# Altium PCB MC3.PcbDoc (part 4 of 4)
Units mil, origin at the board's own origin, x right, y up, seen from the top; angles counter-clockwise.
Board outline 10260 x 7630 mil, 2 copper layers (Top Layer, Bottom Layer), stack 61.756 mil thick; 351 components, 225 nets, 961 pads, 410 vias.
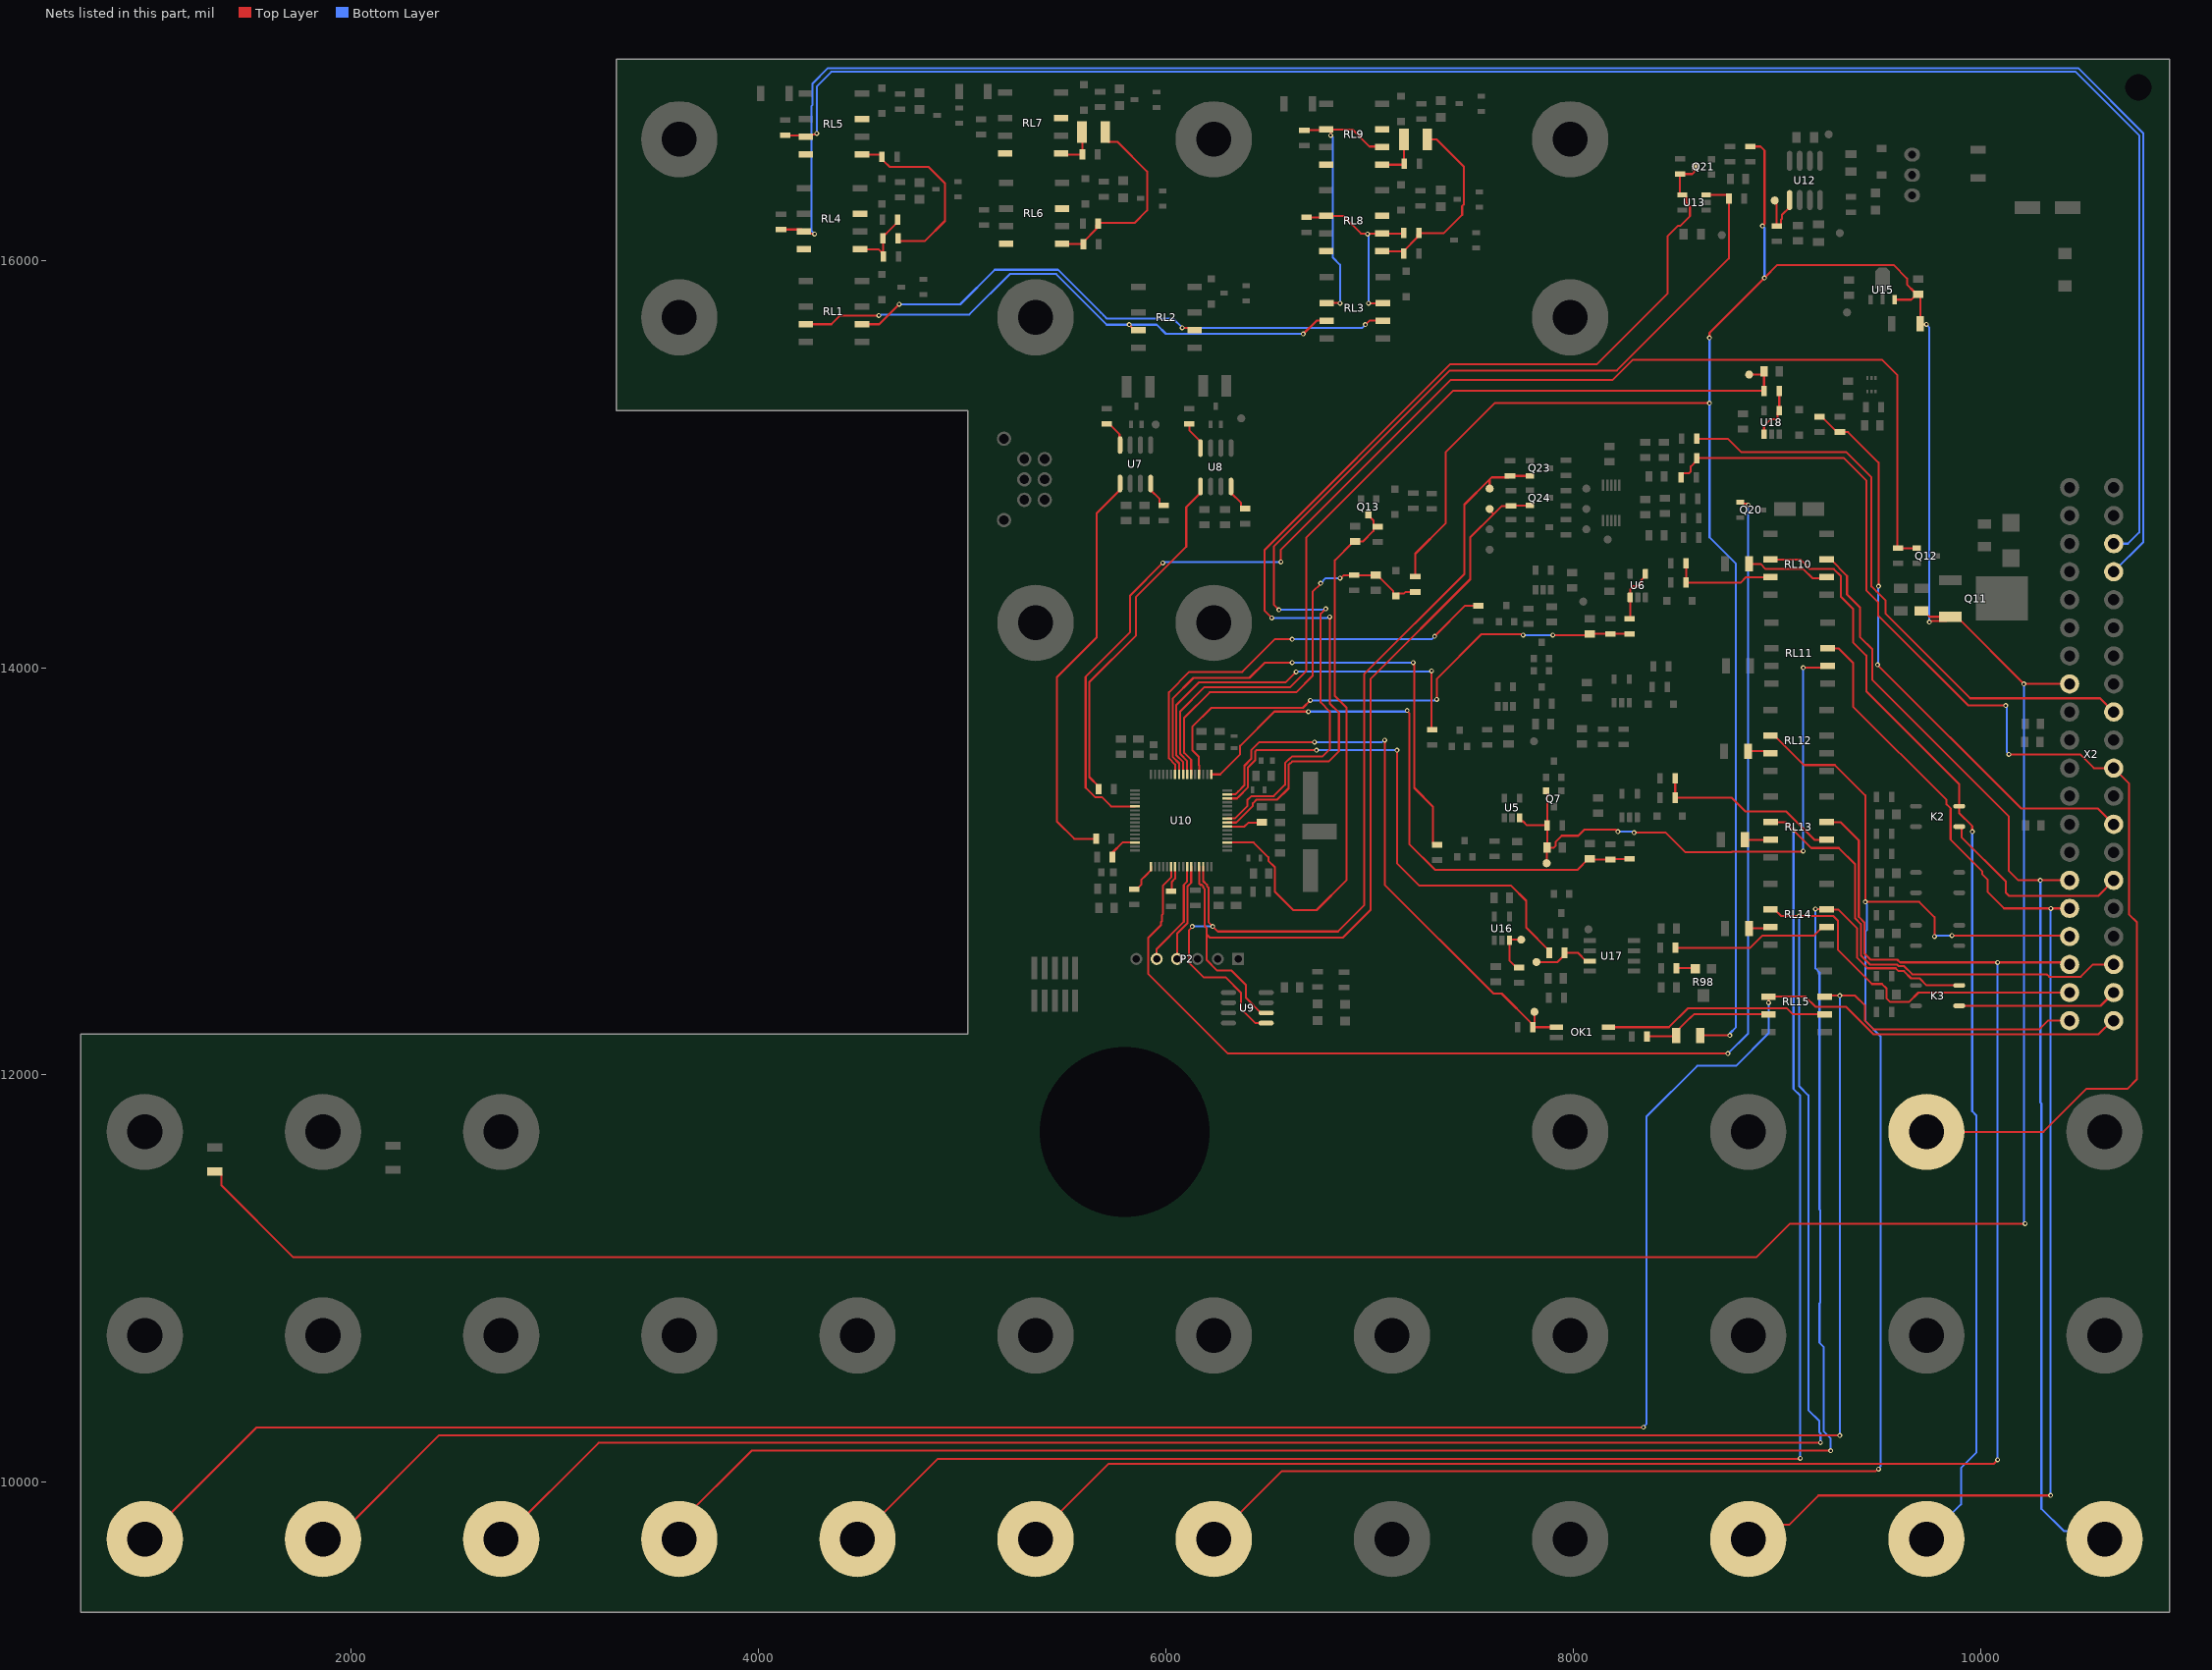
[diagram p4: the nets of this part, all layers, seen from the top]

## Via types
v1: diameter 24, hole 12, Top Layer to Bottom Layer, tented both sides, 410 vias

## Nets (pads, with @x,y where several pads share a name; then routed paths per layer and width w, separated by ;. In a path a pad name is that pad's centre, name@x,y a point inside that pad or via, vN(x,y) a via of type N, cw(c..) or ccw(c..) an arc to the next point about the centre after c; other vN are vias at no path point) (continued)
NetR20_1: R20.1 U6.1 U6.4 | length 267.1
  Top Layer w10: R20.1@8277.6,14241.31 8280.2,14243.91 U6.1@8280.2,14345.84 8280.2,14384.8 8295.39,14400 8320,14400 8333.06,14413.06 8333.06,14429.21 8355,14451.15 U6.4@8355,14461.98
NetR29_2: R29.2 U7.1 | length 2000.5
  Top Layer w10: R29.2@5657.6,13160 5550,13160 5465,13245 5465,13954.54 5660,14149.54 5660,14758.58 5775,14873.58 U7.1@5775,14889.33
NetR30_2: R30.2 U7.8 | length 137.4
  Top Layer w10: R30.2@5710,15197.6 5721.81,15197.6 5772.39,15147.02 5772.39,15096.66 U7.8@5775,15094.06
NetR32_2: R32.2 U7.4 | length 141.5
  Top Layer w10: U7.4@5925,14905.08 5925,14873.58 5969.41,14829.17 5969.41,14806.18 5978.19,14797.4 R32.2@5990,14797.4
NetR33_2: R33.2 U8.1 | length 1730.8
  Top Layer w10: R33.2@5670.2,13405 5670.2,13416.81 5624,13463.01 5624,13929 5854,14159 5854,14348.64 6100,14594.64 6100,14789.02 6170,14859.02 U8.1@6170,14890.51
NetR34_2: R34.2 U8.8 | length 140.9
  Top Layer w10: R34.2@6115,15197.6 6115,15165.98 6170,15110.98 U8.8@6170,15079.49
NetR36_2: R36.2 U8.4 | length 144
  Top Layer w10: U8.4@6320,14890.51 6320,14859.02 6369.41,14809.61 6369.41,14791.18 6378.19,14782.4 R36.2@6390,14782.4
NetR38_2: R38.2 R39.2 RL5.5 | length 942
  Top Layer w10: RL5.5@4507.8,16520.79 4596.22,16520.79 4605,16512.01 R38.2@4605,16510 4605,16495 4610,16490 4613.19,16490 4643.19,16460 4835,16460 4915,16380 4915,16195 4815,16095 4693.58,16095 4684.8,16103.78 R39.2@4684.8,16110
NetR39_1: R39.1 R41.2 R42.2 RL4.5 | length 337.5
  Top Layer w10: RL4.5@4497.8,16055.79 4588.62,16055.79 R42.2@4611.3,16033.11 ; R42.2@4612.6,16020 4612.6,16031.81 R42.2@4611.3,16033.11 ; R41.2@4682.4,16200 4682.4,16188.19 4624.8,16130.59 4618.78,16130.59 4610,16121.81 R39.1@4610,16110 4611.3,16108.7 R42.2@4611.3,16033.11
NetR44_2: R44.2 R45.2 RL7.5 | length 218.3
  Top Layer w10: RL7.5@5485.59,16526.77 5491.38,16520.98 R44.2@5590.39,16520.98 5590.39,16628.39 R45.2@5587.8,16630.98
NetR45_1: R45.1 R47.2 R48.2 RL6.5 | length 996.5
  Top Layer w10: RL6.5@5490.59,16081.77 5594.61,16081.77 R48.2@5595.39,16080.98 5595.39,16092.8 5658.82,16156.22 5658.82,16172.2 R47.2@5667.6,16180.98 5671.61,16185 5846.62,16185 5907.57,16245.94 5907.57,16437.43 5762.17,16582.83 5720.59,16582.83 5701.97,16601.46 R45.1@5701.97,16630.98
NetR49_2: R49.2 RL3.2 RL9.2 RL9.6 | length 1363.1
  Top Layer w10: R49.2@6680,16640 6783.19,16640 RL9.2@6787.2,16644.02 RL9.2@6799.25,16644.02 ; RL3.2@6790,15791.61 6853.39,15791.61 v1(6855,15790) ; v1(6810,16615) 6810,16633.27 RL9.2@6799.25,16644.02 ; RL9.6@7062.8,16557.4 7060.2,16560 7000,16560 6915.98,16644.02 RL9.2@6799.25,16644.02
  Bottom Layer w10: v1(6810,16615) 6820,16605 6820,16014.39 6855,15979.39 v1(6855,15790)
NetR50_2: R50.2 R51.2 RL9.5 | length 228.9
  Top Layer w10: RL9.5@7062.8,16470.79 7165.79,16470.79 R50.2@7170,16475 R51.2@7170,16595
NetR51_1: R51.1 R53.2 R54.2 RL8.5 | length 963.2
  Top Layer w10: RL8.5@7062.8,16045.79 7158.82,16045.79 R54.2@7167.6,16037.01 ; R54.2@7167.6,16035 R54.2@7167.6,16037.01 ; R51.1@7284.17,16595 7330,16595 7462.57,16462.43 7462.57,16274.88 7455,16267.31 7455,16225 7365,16135 R53.2@7242.4,16135 7233.62,16126.22 7233.62,16112.83 7167.6,16046.81 R54.2@7167.6,16037.01
NetR52_2: R52.2 R53.1 RL3.7 RL8.2 RL8.6 | length 930.6
  Top Layer w10: R52.2@6690,16212.4 6780.59,16212.4 RL8.2@6787.2,16219.02 6870.98,16219.02 6957.6,16132.4 RL8.6@7062.8,16132.4 7165,16132.4 R53.1@7167.6,16135 ; v1(6995,15790) 7063.98,15790 RL3.7@7065.59,15791.61
  Bottom Layer w10: v1(6990,16130) 6995,16125 v1(6995,15790)
NetR85_1: R85.1 TP4.1 U12.5 | length 289.1
  Top Layer w10: TP4.1@8990,16295 8990,16287.05 9000,16277.05 R85.1@9000,16170 9011.81,16170 9020.59,16178.78 9020.59,16200.59 9025,16205 9025,16223.86 9062.76,16261.61 U12.5@9062.76,16297.05
NetR92_1: R92.1 TP7.1 U16.3 | length 220
  Top Layer w10: R92.1@7735,12527.4 7723.19,12527.4 7687.4,12563.19 U16.3@7687.4,12661.93 7690.47,12665 TP7.1@7745,12665
NetR95_1: R95.1 TP8.1 U17.7 | length 303.5
  Top Layer w10: TP8.1@7820,12555 7924.21,12555 7957.4,12588.19 R95.1@7957.4,12600 8023.23,12600 8063.23,12560 U17.7@8081.34,12560
NetR97_1: R97.1 R98.3 | length 94.5
  Top Layer w10: R97.1@8507.4,12525 8597.48,12525 R98.3@8600.63,12521.85
NetR102_1: R102.1 U18.1 U18.4 | length 258.7
  Top Layer w10: U18.1@8937.6,15146.93 8937.6,15187.6 8970,15220 8995,15220 9004.61,15229.61 9004.61,15255.28 U18.4@9012.4,15263.07 R102.1@9012.4,15360
NetRL1_3: RL1.3 RL2.3 RL3.3 | length 2864.9
  Top Layer w10: RL1.3@4232.2,15687.4 4357.4,15687.4 4400,15730 v1(4590,15730) ; v1(5820,15685) 5820,15683.7 5845.31,15658.39 RL2.3@5865,15658.39 ; v1(6675,15640) 6740,15705 RL3.3@6790,15705
  Bottom Layer w10: v1(4590,15730) 4592.68,15732.68 4600.54,15732.68 4602.86,15735 5035,15735 5233.35,15933.35 5461.19,15933.35 5709.54,15685 v1(5820,15685) 5955,15685 6000,15640 v1(6675,15640)
NetRL1_6: RL1.6 RL2.6 RL3.6 | length 2866.8
  Top Layer w10: RL1.6@4507.8,15687.4 4592.4,15687.4 v1(4690,15785) ; v1(6080,15670) 6080.87,15669.13 6129.84,15669.13 RL2.6@6140.59,15658.39 ; v1(6980,15685) 7000,15705 RL3.6@7065.59,15705
  Bottom Layer w10: v1(4690,15785) 4990,15785 5160,15955 5470,15955 5680,15745 5680,15744.64 5694.64,15730 5695,15730 5710,15715 6035,15715 v1(6080,15670) 6965,15670 v1(6980,15685)
NetRL4_4: RL4.4
NetRL4_7: RL4.7
NetRL5_4: RL5.4
NetRL5_7: RL5.7
NetRL6_4: RL6.4
NetRL6_7: RL6.7
NetRL7_4: RL7.4
NetRL7_7: RL7.7
NetRL8_4: RL8.4
NetRL8_7: RL8.7
NetRL9_4: RL9.4
NetRL9_7: RL9.7
nFault5VSW_2: R87.1 U10.9 U13.3 | length 5236.2
  Top Layer w10: U10.9@6301.38,13259.84 6339.39,13259.84 6400,13320.46 6400,13350 6420.07,13370.07 6530.07,13370.07 6585,13425 6585,13531.6 6601.4,13548 6603,13548 6620,13565 6770,13565 6805,13600 6805,13785 6760,13830 6760,14265 v1(6785,14290) ; v1(6555,14285) 6530,14310 6530,14595.36 7394.64,15460 8215,15460 8765,16010 R87.1@8765,16305 8765,16313.62 8756.22,16322.4 U13.3@8653.07,16322.4
  Bottom Layer w10: v1(6555,14285) 6780,14285 v1(6785,14290)
nIGNITION: C32.1 Q13.3 R60.1 U10.3 | length 2814.2
  Top Layer w10: U10.3@6301.38,13141.73 6431.1,13141.73 6503.41,13069.42 6503.41,13052.89 6535.52,13020.78 6535.52,12899.48 6625,12810 6740,12810 6888,12958 6888,13803.27 6830,13861.27 6830,14528.07 6915,14613.07 C32.1@6930,14613.07 ; C32.1@6930,14620.2 6967.8,14620.2 7019.41,14671.81 7019.41,14683.62 R60.1@7028.19,14692.4 ; Q13.3@6995,14750.63 6995,14748.66 7019.41,14724.25 7019.41,14701.18 R60.1@7028.19,14692.4 ; R60.1@7040,14692.4 R60.1@7028.19,14692.4
nMC3Power_2: Q21.3 R89.1 U10.8 U13.4 | length 5352.5
  Top Layer w10: U10.8@6301.38,13240.16 6345.16,13240.16 6427.33,13322.33 6427.33,13334.96 6444.43,13352.07 6547.07,13352.07 6603,13408 6603,13524.14 6608.86,13530 6610.46,13530 6620.46,13540 6800,13540 6835,13575 6850,13590 6850,13780 6805,13825 v1(6805,14250) ; v1(6520,14245) 6485,14280 6485,14579.54 7395.46,15490 8115,15490 8464.53,15839.53 8464.53,16120.47 8514.22,16170.17 8525.17,16170.17 8573.55,16218.55 8573.55,16265.78 8555.55,16283.78 8555.55,16314.61 8547.76,16322.4 U13.4@8536.93,16322.4 8532.8,16322.4 8525,16330.2 R89.1@8525,16425 8585,16425 8595,16435 8595,16454.37 Q21.3@8600.63,16460
  Bottom Layer w10: v1(6520,14245) 6792.14,14245 6794.46,14247.32 6802.32,14247.32 v1(6805,14250)
OIL_PRESS_IN_1: BH29.1 RL13.7 X2.36 | length 9127.9
  Top Layer w10: BH29.1@5360.25,9720.85 5360.25,9732.98 5717.27,10090 10065,10090 v1(10085,10110) ; RL13.7@9245.59,13241.61 9313.39,13241.61 9403,13152 9403,12776.64 9431,12748.64 9431,12595.77 9460.36,12566.41 9592.49,12566.41 9605.89,12553 v1(10085,12553) 10428.1,12553 X2.36@10438.46,12542.64
  Bottom Layer w10: v1(10085,10110) v1(10085,12553)
OIL_PRESS_IN_5: R7.1 R8.1 RL13.6 | length 924.9
  Top Layer w10: R7.1@8501.46,13457.06 R8.1@8501.46,13362.06 8777.94,13362.06 8845,13295 9045,13295 9185,13155 RL13.6@9245.59,13155
OIL_RET_1: BH27.1 RL12.2 X2.34 | length 8478.8
  Top Layer w10: BH27.1@6235.25,9720.85 6569.4,10055 9487.14,10055 9497.14,10065 v1(9500,10065) ; RL12.2@8969.41,13666.61 8989.09,13666.61 9133.57,13522.13 9285.82,13522.13 9435,13372.95 v1(9435,12850) 9700,12850 9775,12775 v1(9775,12680) ; v1(9860,12685) 10433.03,12685 10438.03,12680 X2.34@10438.46,12680.43
  Bottom Layer w10: v1(9435,12850) 9435,12846.21 9443.75,12837.46 9443.75,12712.82 9435,12704.08 9435,12265.46 9510,12190.46 9510,10077.86 9500,10067.86 v1(9500,10065) ; v1(9775,12680) 9780,12685 v1(9860,12685)
OIL_RET_5: F4.1 RL12.3 | length 114.5
  Top Layer w10: F4.1@8859.06,13590 8959.41,13590 RL12.3@8969.41,13580
OILPRESSAD: C6.1 R9.2 R11.2 U10.17 | length 2936.2
  Top Layer w10: U10.17@6222.64,13476.38 6266.73,13476.38 6320.36,13530 6365,13574.64 6365,13616.97 6533.03,13785 v1(6700,13785) ; v1(7185,13790) 7185,13787.14 7195,13777.14 7195,13134.99 7322.68,13007.31 8020.85,13007.31 8074.72,13061.19 C6.1@8082.6,13061.19 8085.2,13058.59 R11.2@8182.6,13058.59 8183.9,13059.89 8276.3,13059.89 R9.2@8277.6,13061.19
  Bottom Layer w10: v1(6700,13785) 7180,13785 v1(7185,13790)
Open_Connector: Q20.1 U10.54 | length 6363.8
  Top Layer w10: U10.54@6025.79,13023.62 6025.79,12970.79 5985,12930 5985,12790 5980,12785 5980,12755.36 5975,12750.36 5975,12735 5912.47,12672.47 5912.47,12497.53 6305,12105 v1(8760,12105) ; Q20.1@8820.87,14812.4 8827.68,14805.59 8854.41,14805.59 v1(8860,14800)
  Bottom Layer w10: v1(8760,12105) 8860,12205 v1(8860,14800)
PWM_MOTOR: Q12.1 R57.2 U10.37 | length 6573
  Top Layer w10: U10.37@5848.62,13318.9 5800,13318.9 5731.46,13318.9 5685.19,13365.17 5652.27,13365.17 5606,13411.44 5606,13956 5825,14175 5825,14355 v1(5985,14515) ; v1(6565,14520) 6565,14580.46 7397.54,15413 8193.46,15413 8293.46,15513 9517,15513 9593,15437 9593,14589.4 R57.2@9595,14587.4 Q12.1@9687.76,14587.4
  Bottom Layer w10: v1(5985,14515) 5990,14520 v1(6565,14520)
RESET_17: C69.1 U10.7 | length 178.1
  Top Layer w10: U10.7@6301.38,13220.47 6385.93,13220.47 6405.46,13240 6460.98,13240 6462.76,13241.77 C69.1@6470.63,13241.77
SCL_17: Q24.2 R105.1 TP12.1 U9.6 U10.61 | length 4206.4
  Top Layer w10: U10.61@6163.58,13023.62 6163.58,12940.04 6169.44,12934.18 6175.98,12934.18 6183.63,12926.52 6183.63,12920.74 6191.4,12912.97 6191.4,12731.13 6200,12722.53 6200,12690 ; U9.6@6492.52,12305 6466.93,12305 6392.81,12379.12 6392.81,12442.65 6323.13,12512.32 6252.53,12512.32 6200,12564.86 6200,12690 ; TP12.1@7590,14780 7590,14775 7610,14755 ; Q24.2@7787.76,14797.4 7786.56,14796.2 7696.2,14796.2 R105.1@7695,14795 7650,14795 7610,14755 ; 6200,12690 6215,12675 6870,12675 7005,12810 7005,13945 7495,14435 7495,14640 7610,14755
SDA_17: Q23.2 R82.1 TP5.1 U9.5 U10.62 | length 4550.7
  Top Layer w10: v1(6130,12730) 6130,12726.87 6112.47,12709.34 6112.47,12552.38 6186.21,12478.65 6294.51,12478.65 6368.25,12404.91 6368.25,12326.87 6440.12,12255 U9.5@6492.52,12255 ; U10.62@6183.27,13023.62 6183.27,12952.34 6201.63,12933.98 6201.63,12928.2 6209.4,12920.43 6209.4,12750.6 v1(6230,12730) 6255,12705 6845,12705 6975,12835 6975,13970 7466,14461 7466,14801 7590,14925 ; TP5.1@7590,14880 7590,14925 ; Q23.2@7787.76,14942.4 R82.1@7690,14942.4 7682.6,14935 7600,14935 7590,14925
  Bottom Layer w10: v1(6130,12730) v1(6230,12730)
SHDN_COOL: R5.1 U10.26 | length 2112.3
  Top Layer w10: U10.26@6045.47,13476.38 6045.47,13524.98 6015,13555.46 6015,13880 6115,13980 6375,13980 6535,14140 v1(6620,14140) ; v1(7320,14155) 7469.96,14304.96 R5.1@7535,14304.96
  Bottom Layer w10: v1(6620,14140) 7305,14140 v1(7320,14155)
SHDN_OIL: R12.1 U10.24 | length 1968
  Top Layer w10: U10.24@6084.84,13476.38 6084.84,13536.52 6051,13570.37 6051,13816 6164,13929 6589,13929 v1(6640,13980) ; v1(7305,13985) 7305,13699.42 R12.1@7308.35,13696.07
  Bottom Layer w10: v1(6640,13980) 6642.5,13982.5 7302.5,13982.5 v1(7305,13985)
SHDN_TPS: R17.1 U10.25 | length 2590.5
  Top Layer w10: U10.25@6065.16,13476.38 6065.16,13530.75 6033,13562.91 6033,13848 6135,13950 6410,13950 6485,14025 v1(6620,14025) ; v1(7215,14025) 7217.68,14022.32 7217.68,14014.46 7220,14012.14 7220,13410 7311.73,13318.27 7311.73,13139.01 7320.51,13130.23 R17.1@7332.32,13130.23
  Bottom Layer w10: v1(6620,14025) v1(7215,14025)
SPEED1_IN_1: K3.3 X2.37 | length 785.6
  Top Layer w10: K3.3@9896.3,12340 10590.16,12340 X2.37@10655,12404.84
SPEED1_IN_5: R94.1 RL14.6 | length 784.7
  Top Layer w10: R94.1@8502.4,12625 8870,12625 8930,12685 9183.64,12685 9225.32,12726.68 RL14.6@9245,12726.68
SPEED1_INa_2: BH33.1 K3.4 RL14.7 | length 9521.5
  Top Layer w10: BH33.1@3610.25,9720.85 3610.25,9800.25 3965.77,10155.77 v1@9265,10155.77 ; v1(9190,12815) 9243.29,12815 RL14.7@9245,12813.29 9301.71,12813.29 9395,12720 9395,12575 9445.8,12524.2 9583.78,12524.2 9597.98,12510 9625,12510 9660,12475 9701.51,12475 9736.51,12440 K3.4@9896.3,12440
  Bottom Layer w10: v1(9190,12815) 9190,12523.29 9210,12503.29 9210,11340.46 9213,11337.46 9213,10882.54 9210,10879.54 9210,10685 9230,10665 9230,10250 9265,10215 v1(9265,10155)
SPEED1_RET_1: BH31.1 RL13.2 X2.35 | length 10161.9
  Top Layer w10: BH31.1@4485.25,9720.85 4879.4,10115 9102.14,10115 9102.54,10115.4 9112.32,10115.4 v1(9115,10118.08) ; RL13.2@8970,13241.61 9043.39,13241.61 v1(9082.5,13202.5) 9170,13115 9305,13115 9385,13035 9385,12769.19 9413,12741.19 9413,12588.31 9459.11,12542.2 9591.24,12542.2 9598.44,12535 9625.46,12535 9665.46,12495 10325,12495 10337.61,12482.39 10492.7,12482.39 10552.95,12542.64 X2.35@10655,12542.64
  Bottom Layer w10: v1(9082.5,13202.5) 9082.5,11931.59 9115,11899.09 v1(9115,10118.08)
SPEED1_RET_5: F5.1 RL13.3 | length 125.9
  Top Layer w10: F5.1@8844.06,13155 RL13.3@8970,13155
SPEED2_IN_1: BH37.1 RL15.7 X2.40 | length 11156
  Top Layer w10: BH37.1@1860.25,9720.85 1920.85,9720.85 2431.15,10231.15 9308.85,10231.15 v1(9310,10230) ; RL15.7@9235.59,12385 9240.59,12390 v1(9310,12390) 9385,12390 9432.5,12342.5 9432.5,12267.96 9475.46,12225 10290,12225 10332.05,12267.05 X2.40@10438.46,12267.05
  Bottom Layer w10: v1(9310,10230) v1(9310,12390)
SPEED2_IN_5: OK1.2 RL15.6 | length 1112.7
  Top Layer w10: OK1.2@8172.95,12235 8470.47,12235 8562.61,12327.13 9050.7,12327.13 9079.45,12298.39 RL15.6@9235.59,12298.39
SPEED2_RET_1: BH35.1 RL14.2 X2.38 | length 11095.2
  Top Layer w10: BH35.1@2735.25,9720.85 2740.85,9720.85 3213.46,10193.46 9213.46,10193.46 v1(9215,10195) ; RL14.2@8969.41,12813.29 8989.09,12813.29 9021.54,12780.84 v1(9110,12780.84) 9278.3,12780.84 9300,12759.14 9300,12615 9467.98,12447.02 9516.64,12447.02 9539.65,12424.01 9539.65,12375.35 9556.62,12358.38 9649.27,12358.38 9695.74,12404.84 X2.38@10438.46,12404.84
  Bottom Layer w10: v1(9110,12780.84) 9110,11945 9155,11900 9155,10354.64 9209,10300.64 9209,10245.54 9215,10239.54 v1(9215,10195)
SPEED2_RET_5: F6.1 RL14.3 | length 108.1
  Top Layer w10: F6.1@8864.06,12720 8962.73,12720 RL14.3@8969.41,12726.68
SPEED2_VBAT_1: BH39.1 RL15.2 X2.39 | length 11867.2
  Top Layer w10: BH39.1@985.25,9720.85 1533.25,10268.85 v1@8345,10268.85 ; v1(8960,12355) RL15.2@8960,12385 9140.22,12385 9190.22,12335 9340,12335 9475,12200 10580,12200 10647.05,12267.05 X2.39@10655,12267.05
  Bottom Layer w10: v1(8345,10270) 8360,10285 8360,11795 8610,12045 8800,12045 8960,12205 v1(8960,12355)
SPEED2_VBAT_5: F1.2 R99.2 RL15.3 | length 652.9
  Top Layer w10: R99.2@8362.4,12190 8500.94,12190 F1.2@8505.94,12195 8505.94,12212.72 8573.23,12280 8575,12280 8593.39,12298.39 RL15.3@8960,12298.39
SPEED_HALL: OK1.3 R100.2 TP10.1 U10.15 | length 2889.4
  Top Layer w10: U10.15@6301.38,13377.95 6340,13377.95 6355,13392.95 6385.61,13423.57 6385.61,13518.89 6419,13552.28 6419,13594.6 6459.4,13635 v1(6730,13635) ; v1(7075,13645) 7075,12934.64 7609.64,12400 7649.21,12400 7799.8,12249.41 R100.2@7805,12249.41 ; R100.2@7802.4,12246.81 R100.2@7802.4,12235 R100.2@7810,12235 ; R100.2@7810,12249.41 R100.2@7810,12235 ; R100.2@7810,12250.51 TP10.1@7810,12310 ; OK1.3@7917.05,12235 R100.2@7810,12235
  Bottom Layer w10: v1(6730,13635) 7061.21,13635 7071.21,13645 v1(7075,13645)
SPEED_RLC: R95.2 U10.14 | length 2582.5
  Top Layer w10: U10.14@6301.38,13358.27 6348.72,13358.27 6355,13364.54 6403.61,13413.16 6403.61,13511.44 6439,13546.82 6439,13589.14 6444.86,13595 v1(6740,13595) ; v1(7135,13595) 7135,13040 7245,12930 7695.36,12930 7769.55,12855.8 7769.55,12724.86 7882.6,12611.81 R95.2@7882.6,12600
  Bottom Layer w10: v1(6740,13595) v1(7135,13595)
STARTER_AMP_1: BH15.1 R26.1 R27.2 X2.21 | length 6025.5
  Top Layer w10: R27.2@8530,14935 8530,14946.81 8538.78,14955.59 8569.14,14955.59 8578.02,14964.47 8578.02,14988.81 8607.4,15018.19 R26.1@8607.4,15030 9330,15030 9440,14920 9440,14380 9497.5,14322.5 9497.5,14257.5 9940,13815 v1(10125,13815) ; BH15.1@9735.25,11720.85 10309.73,11720.85 10522.23,11933.35 10723.35,11933.35 10769,11979 10769,12750 10731.1,12787.9 10731.1,13431.1 X2.21@10655,13507.2 10557.8,13507.2 10490,13575 v1(10140,13575)
  Bottom Layer w10: v1(10125,13815) 10125,13811.21 10130,13806.21 10130,13587.86 10140,13577.86 v1(10140,13575)
STARTER_VREF_1: R28.1 X2.17 | length 2954.8
  Top Layer w10: R28.1@8607.4,15125 8760,15125 8825,15060 9340,15060 9465,14935 9465,14399.64 9489.64,14375 9535.23,14329.42 9535.23,14265.23 9950.46,13850 10587.8,13850 X2.17@10655,13782.8
SWDCLK_17: R80.2 U10.49 | length 152.3
  Top Layer w10: R80.2@5845,12912.4 5856.81,12912.4 5879,12934.59 5879,12957.54 5901.46,12980 5927.36,13005.91 U10.49@5927.36,13023.62
SWDIO_17: R79.2 U10.46 | length 153.7
  Top Layer w10: R79.2@5737.4,13070 5737.4,13080 5737.4,13091.81 5787.32,13141.73 5800,13141.73 U10.46@5848.62,13141.73
SWO_17: R83.2 U10.55 | length 129.7
  Top Layer w10: R83.2@6025,12902.4 6030,12907.4 6030,12949.54 6045.47,12965.02 U10.55@6045.47,13023.62
TESTCONNECTOR_CANH_1: R37.1 RL5.3 X2.5 | length 9147.5
  Top Layer w10: R37.1@4130,16615.2 4224.41,16615.2 RL5.3@4232.2,16607.4 4242.95,16618.15 4278.15,16618.15 v1(4285,16625)
  Bottom Layer w10: v1(4285,16625) 4285,16855 4357,16927 10468,16927 10780,16615 10780,14665 10724.57,14609.57 X2.5@10655,14609.57
TESTCONNECTOR_CANL_1: R40.1 RL4.3 X2.7 | length 9834.5
  Top Layer w10: R40.1@4110,16152.6 4212.01,16152.6 RL4.3@4222.2,16142.4 4232.95,16131.65 4273.35,16131.65 v1(4275,16130)
  Bottom Layer w10: v1(4275,16130) 4260,16145 4260,16759.82 4265,16764.82 4265,16870 4340,16945 10480,16945 10800,16625 10800,14616.77 X2.7@10655,14471.77
TPS_5VREF_1: BH21.1 RL11.7 X2.32 | length 6446.8
  Top Layer w10: BH21.1@8860.25,9720.85 8930.09,9790.69 9060.69,9790.69 9205,9935 v1(10345,9935) ; RL11.7@9250,14095 9305,14095 9375,14025 9375,13810 9834.15,13350.85 9834.15,13329.34 9853.77,13309.72 9853.77,13254.58 9853.77,13156.23 10010,13000 10010,12985 10035,12960 10035,12900 10116.77,12818.23 v1(10345.94,12818.23) X2.32@10438.46,12818.23
  Bottom Layer w10: v1(10345,9935) 10345,12817.28 v1(10345.94,12818.23)
TPS_5VREF_5: C12.1 Q7.2 R18.1 RL11.6 TP3.1 U5.3 | length 2891.3
  Top Layer w10: U5.3@7737.4,13263.27 7737.4,13254.41 7746.18,13245.63 7755.04,13245.63 7774.17,13226.5 R18.1@7872.6,13226.5 ; Q7.2@7867.6,13395.87 7872.6,13390.87 R18.1@7872.6,13226.5 ; TP3.1@7870,13040 7870,13113.9 C12.1@7872.6,13116.5 ; v1(8220,13195) 8210,13205 8055,13205 8025.3,13175.3 7944.51,13175.3 7914.81,13145.59 7914.81,13125.99 7905.32,13116.5 C12.1@7872.6,13116.5 ; v1(8300,13190) 8455,13190 8550,13095 8779.34,13095 8781.48,13097.13 9127.13,13097.13 v1(9130,13100) ; v1(9130,14000) 9241.61,14000 RL11.6@9250,14008.39 ; C12.1@7872.6,13116.5 R18.1@7872.6,13226.5
  Bottom Layer w10: v1(8220,13195) 8291.21,13195 8296.21,13190 v1(8300,13190) ; v1(9130,13100) v1(9130,14000)
TPS_RET_1: BH17.1 RL10.7 X2.30 | length 5689.6
  Top Layer w10: RL10.7@9245,14531.61 9264.68,14531.61 9345,14451.3 9345,14360 9410,14295 9410,14150 9470,14090 9470,13940 10140,13270 10140,13001.75 10185.73,12956.02 v1(10295,12956.02) X2.30@10438.46,12956.02
  Bottom Layer w10: v1(10295,12956.02) 10295,11865 10300,11860 10300,9870 10410,9760 10571.1,9760 BH17.1@10610.25,9720.85
TPS_RET_5: F2.1 RL10.6 | length 412
  Top Layer w10: F2.1@8864.06,14510 8920,14510 8945,14485 9130,14485 9175,14440 9240,14440 RL10.6@9245,14445
TPS_SEC_1: R101.1 R103.2 X2.25 | length 2862.6
  Top Layer w10: R101.1@9210,15232.4 9221.81,15232.4 9287.83,15166.38 9301.22,15166.38 R103.2@9310,15157.6 9350.59,15157.6 9500,15008.19 v1(9500,14400) ; v1(9495,14015) 10200.83,13309.17 10577.45,13309.17 X2.25@10655,13231.61
  Bottom Layer w10: v1(9495,14015) 9497.5,14017.5 9497.5,14397.5 v1(9500,14400)
TPS_SECAD: C68.1 R102.2 TP23.1 U10.23 | length 4399.7
  Top Layer w10: U10.23@6104.53,13476.38 6104.53,13542.3 6070,13576.82 6070,13785 6190,13905 6610.46,13905 6690,13984.54 6690,14640 7410,15360 R102.2@8937.6,15360 C68.1@8937.6,15452.72 ; TP23.1@8865,15440 8924.88,15440 C68.1@8937.6,15452.72 ; C68.1@8937.6,15455 C68.1@8937.6,15452.72
TPS_WIPER_1: K2.3 X2.29 | length 991.2
  Top Layer w10: K2.3@9896.3,13220 9902.72,13220 9909.02,13213.71 9909.02,13166.15 10125,12950.16 10125,12895 10140,12880 10578.98,12880 X2.29@10655,12956.02
TPS_WIPER_5: R19.1 R21.2 RL10.3 | length 519.9
  Top Layer w10: R21.2@8555,14513.59 R19.1@8555,14418.91 8823.91,14418.91 8850,14445 RL10.3@8969.41,14445
TPS_WIPERa_2: BH19.1 K2.4 RL10.2 | length 5485.4
  Top Layer w10: RL10.2@8969.41,14531.61 9116.61,14531.61 9163.23,14485 9280,14485 9315,14450 9315,14350 9375,14290 9375,14125 9440,14060 9440,13885 9896.3,13428.7 K2.4@9896.3,13320 9896.3,13286.2 9960,13222.5 v1(9960,13195)
  Bottom Layer w10: BH19.1@9735.25,9720.85 9905,9890.6 9905,10070 9980,10145 9980,11802.08 9960,11822.08 v1(9960,13195)
TPSAD: C13.1 R20.2 R22.2 U10.20 | length 2647.2
  Top Layer w10: U10.20@6163.58,13476.38 6163.58,13520.63 6161.9,13522.31 6161.9,13530 6161.9,13564.01 6130,13595.91 6130,13710.36 6222.64,13803 6673,13803 v1(6710,13840) ; v1(7330,13845) 7330,13945 7550,14165 7750,14165 v1(7755,14160) ; v1(7900,14160) 8076.09,14160 C13.1@8082.6,14166.51 R22.2@8182.6,14166.51 R20.2@8277.6,14166.51
  Bottom Layer w10: v1(6710,13840) 7325,13840 v1(7330,13845) ; v1(7755,14160) v1(7900,14160)
UART_RX1: P2.4 U10.59 | length 482.3
  Top Layer w10: P2.4@6055,12570 6055,12694.19 6106,12745.19 6106,12926.16 6124.21,12944.37 6124.21,12980 U10.59@6124.21,13023.62
UART_TX1: P2.5 U10.58 | length 515.6
  Top Layer w10: P2.5@5955,12570 5955,12619.64 6088,12752.64 6088,12933.61 6104.53,12950.14 6104.53,12980 U10.58@6104.53,13023.62
VBATS_AD: C11.1 D3.1 R14.2 R15.2 U10.22 | length 2019.7
  Top Layer w10: U10.22@6124.21,13476.38 6124.21,13548.07 6090,13582.28 6090,13755 6215,13880 6640,13880 6720,13960 6720,14372.82 6760,14412.82 v1(6760,14415) ; v1(6855,14440) 6858.79,14440 6873.79,14455 R15.2@6925,14455 C11.1@7030,14455 7037.87,14455 7115.31,14377.56 7115.31,14365.32 7128.03,14352.6 D3.1@7130,14352.6 ; D3.1@7129.02,14352.6 7141.73,14365.32 7169.92,14365.32 7177.2,14372.6 R14.2@7225,14372.6
  Bottom Layer w10: v1(6760,14415) 6785,14440 v1(6855,14440)
VBATT__1: C59.2 C60.1 F1.1 F7.2 Q11.2 R14.1 R55.2 R90.1 U15.3 X2.16 | length 22258.2
  Top Layer w10: F7.2@1330,11525.94 1347.72,11525.94 1362.4,11511.26 1362.4,11457.6 1715,11105 8900,11105 9065,11270 v1(10220,11270) ; R14.1@7225,14447.4 7225,14560 7375,14710 7375,15060 7615,15300 v1(8670,15300) ; F1.1@8624.06,12195 v1(8770,12195) ; v1(8670,15620) 8670,15645 v1(8940,15915) 9003.24,15978.24 9573.97,15978.24 9639.84,15912.36 9639.84,15881.97 9674.41,15847.4 C60.1@9687.13,15834.68 ; R90.1@8870,16559.8 8920.2,16559.8 8940,16540 8940,16180 v1(8930,16170) ; U15.3@9579.06,15807.76 9660.2,15807.76 C60.1@9687.13,15834.68 ; R55.2@9710,14279.88 9720.83,14279.88 9750.47,14250.24 Q11.2@9853.03,14250.24 ; v1(9735,15686.25) 9708.63,15686.25 C59.2@9704.88,15690 9704.88,15824.8 C60.1@9695,15834.68 C60.1@9687.13,15834.68 ; v1(9750,14225) 9753.79,14225 9759.42,14230.63 9833.43,14230.63 Q11.2@9853.03,14250.24 ; X2.16@10438.46,13920.59 v1(10214.17,13920.59) 9884.53,14250.24 Q11.2@9853.03,14250.24
  Bottom Layer w10: v1(8670,15620) v1(8670,15300) 8670,14640 8800,14510 8800,12235 8770,12205 v1(8770,12195) ; v1(8930,16170) 8940,16160 v1(8940,15915) ; v1(9735,15686.25) 9750,15671.25 v1(9750,14225) ; v1(10214.17,13920.59) 10215,13919.76 10215,11275 v1(10220,11270)
pads on no net: J1.7 J1.8 J1.9 J1.10 P2.2 P2.3 P2.6 U7.5 U8.5 U10.16 U10.35 U10.36 U10.56 U17.3 U17.6 X1. Y1.

## Polygon pours and split planes (outlines as drawn)
+3V3 on Top Layer "+3V3_L01_P016" (solid, remove dead copper, pour order 16): 6135,13660 6295,13660 6352.68,13602.32 6365,13602.32 6365,13555 6350,13540 6175,13540 6135,13580
+3V3 on Top Layer "+3V3_L01_P014" (solid, remove dead copper, pour order 14): 8790,15335 8915,15335 8960,15290 8960,15225 8730,15225 8655,15150 7920,15150 7840,15070 7840,14995 7836.42,14995 7821.22,14979.8 7485,14980 7455,14950 7455,14470 6955,13970 6960,13965 6960,12840 6835,12715 6275,12715 6212.5,12777.5 6212.5,12957.5 6215,13060 5885,13060 5874.08,13045.92 5782.58,12928 5771.46,12790.39 5718.71,12790.39 5716.21,12946.21 5762.46,12965.24 5830,13050 5830,13110.32 5885,13110.32 5900,13145 6130,13145 6251.2,13144.4 6250.25,13054.75 6395,12925 6391.64,12790.39 6472.12,12790.39 6471.49,12935.64 6519.96,12934.96 6525,12780 6740,12780 6910,12950 6910,14105 7135,14330 7270,14330 7315,14375 7315,14600 7405,14690 7405,14970 7645,15210 8635,15210 8645,15220
+3V3 on Top Layer "+3V3_L01_P012" (solid, remove dead copper, pour order 12): 9145,16345 9145,16160 9207.17,16160 9245,16122.17 9245,16050 9225,16030 8880,16030 8765,15915 8765,15880 8885,15880 8990,15985 9340,15985 9410,16055 9410,16160 9940,16160 10150,15950 10665,15950 10835,15780 10835,14165 10785,14115 10785,13215 10745,13175 10745,13130 10815,13130 10825,13140 10825,14065 10885,14125 10885,15800 10695,15990 10160,15990 9940,16210 9255,16210 9240,16225 9240,16340 9230,16350 9155,16350
+V24V on Top Layer "+V24V_L01_P028" (solid, remove dead copper, pour order 28): 5050,16395 5155,16395 5155,16330 5115,16290 5075,16290 5067.8,16282.8 5067.8,16142.2 5135,16075 5135,15655 5352.5,15437.5 5352.5,15085 5300,15085 5285,15100 5285,15445 5020,15710 5020,16350
+5V_OILPRESS_11 on Top Layer "+5V_OILPRESS_11_L01_P046" (solid, remove dead copper, pour order 46): 7695,13840 7775,13840 7775,14005 7780,14010 7830,14010 7830,13865 7855,13840 7855,13695 7890,13660 7935,13660 7965,13675 8355,13675 8455,13575 8455,13430 8445,13420 8410,13420 8400,13430 8400,13550 8310,13640 8020,13640 7995,13615 7760,13615 7730,13645 7730,13760 7710,13760 7695,13775
+5V_COOLREF_11 on Top Layer "+5V_COOLREF_11_L01_P045" (solid, remove dead copper, pour order 45): 7885,14500 7890,14495 7890,14365 7970,14365 7985,14350 7985,14257.5 8052.5,14190 8300,14190 8375,14115 8375,13975 8425,13975 8425,14130 8335,14220 8065,14220 8055,14230 8055,14410 8035,14430 7955,14430 7955,14485 7940,14500
TPS_5VREF_1 on Top Layer "TPS_5VREF_1_L01_P044" (solid, remove dead copper, pour order 44): 9210,14070 9290,14070 9355,14005 9355,13795 9825,13325 9825,13130 10015,12940 10015,12880 10105,12790 10370,12790 10395,12765 10465,12765 10495,12795 10495,12850 10475,12870 10130,12870 10085,12915 10085,12950 9860,13175 9860,13360 9390,13830 9390,14035 9300,14125 9210,14125
TPS_5VREF_5 on Top Layer "TPS_5VREF_5_L01_P043" (solid, remove dead copper, pour order 43): 9110,14030 9110,13985 9285,13985 9285,14030
TPS_5VREF_5 on Top Layer "TPS_5VREF_5_L01_P040" (solid, remove dead copper, pour order 40): 8280,13205 8505,13205 8590,13120 9140,13120 9150,13110 9150,13080 9145,13075 8520,13075 8420,13175 8285,13175 8275,13185 8275,13200
TPS_5VREF_5 on Top Layer "TPS_5VREF_5_L01_P039" (solid, remove dead copper, pour order 39): 7725,13285 7815,13285 7815,13380 7850,13415 7885,13415 7885,13210 7895,13200 7910,13215 8235,13215 8235,13175 8210,13150 7940,13150 7925,13135 7925,13055 7920,13050 7835,13050 7835,13160 7800,13195 7750,13195 7725,13220
+5VSW on Top Layer "+5VSW_L01_P038" (solid, remove dead copper, pour order 38): 7970,14110 8040,14110 8095,14055 8095,13905 8080,13890 7970,13890 7965,13895 7965,14100
+V24V on Top Layer "+V24V_L01_P005" (solid, remove dead copper, pour order 5): 10360,16000 10540,16000 10610,16070 10610,16770 10405,16975 4120,16975 4120,16755 4130,16745 4380,16745 4380,16860 4388.64,16868.64 4804.39,16868.64 4805.74,16870 5103.53,16868.64 5103.53,16735 5285.94,16735 5285.94,16867.81 6004.08,16868.66 6002.24,16283.83 6055,16213.75 6055,16025.67 6097.86,16025.67 6097.86,16790 6620,16790 6610,15899.89 6716.2,15899.89 6830.46,15899.89 6829.14,15946.33 6716.2,15946.66 6722.17,16322.88 6830.46,16322.88 6830.46,16369.21 6722.93,16370.58 6730,16745 7782.71,16745 7958.63,16790 9360.61,16789.69 9585,16675 9585,16505 9630,16460 10250,16460 10320,16390 10320,16060
+8VREF on Top Layer "+8VREF_L01_P037" (solid, remove dead copper, pour order 37): 8685,14675 8700,14690 8720,14690 8740,14670 8625,14555 7930,14555 7875,14500 7875,14352.6 7905,14322.6 7905,14275 7865,14275 7840,14250 7840,14100 7725,14100 7685,14060 7685,13750 7715,13720 7715,13670 7670,13670 7595,13595 7570,13595 7570,13510 7655,13510 7840,13510 7890,13560 7920,13560 7930,13550 7930,13495 7915,13480 7755,13480 7720,13445 7725,13179.09 7725,13165 7750,13160.46 7750,13125 7655.21,13095.21 7650,13060.46 7590,13060 7590.43,13095.21 7675,13140 7674.55,13229.55 7680,13235 7680,13420 7595,13420 7537.68,13477.32 7537.68,13647.68 7560,13670 7615,13670 7650,13705 7650,14105 7685,14140 7800,14140 7800,14255 7790,14265 7756.89,14265 7750,14271.89 7750,14335 7765,14350 7825,14350 7835,14360 7835,14530 7905,14600 8625,14600 8680,14655 8680,14665
+8VREF on Top Layer "+8VREF_L01_P035" (solid, remove dead copper, pour order 35): 9320,15850 9385,15850 9385,15835 9395,15825 9470,15825 9470,15775 9415,15720 8875,15720 8770,15615 8735,15615 8735,15645 8845,15755 9300,15755 9310,15765 9310,15840
GND on Top Layer "GND_L01_P034" (solid, remove dead copper, pour order 34): 9435,15955 9435,15840 9440,15835 9475,15835 9475,15785 9506.31,15753.69 9548.69,15753.69 9570,15775 9570,15835 9587.5,15852.5 9595,15852.5 9595,15955
+5VSW on Top Layer "+5VSW_L01_P022" (solid, remove dead copper, pour order 22): 7429.54,15084.54 7460,15050 7475,15050 7645,15220 8535,15220 8540,15225 8540,15270 8530,15280 7620,15280 7433.37,15104.76
VBATT__1 on Top Layer "VBATT__1_L01_P032" (solid, remove dead copper, pour order 32): 9680,15660 9685,15655 9815,15655 9815,15795 9735,15875 9670,15875 9650,15895 9650,15940 9605,15985 9560.67,16023.18 9431.82,16023.18 9372.03,15985 8990,15985 8655,15650 8655,15605 8670,15590 8695,15590 8710,15605 8710,15645 9025,15960 9560.67,15960 9602.5,15918.17 9602.5,15852.5 9587.5,15852.5 9570,15835 9570,15775 9605,15740 9665,15740 9665,15732.5 9680,15717.5
GND on Top Layer "GND_L01_P027" (solid, remove dead copper, pour order 27): 6770,12855 6870,12955 6870,13520 6630,13520 6615,13505 6615,13385 6570,13340 6530,13340 6505,13315 6505,13220 6275,13220 6275,13170 6450,13170 6535,13085 6535,12920 6600,12855
+5VSW on Top Layer "+5VSW_L01_P021" (solid, remove dead copper, pour order 21): 8600,16260 8585,16245 8585,16055 8535,16055 8495,16015 8495,15945 8515,15925 8655,15925 8735,16005 8735,16245 8720,16260
+3V3 on Top Layer "+3V3_L01_P019" (solid, remove dead copper, pour order 19): 6440,12610 6440,12385 6445,12380 6575,12380 6575,12450 6590,12465 6590,12605 6570,12625 6455,12625
+3V3 on Top Layer "+3V3_L01_P013" (solid, remove dead copper, pour order 13): 10275,13275 10275,13180 10500,13180 10500,13270 10490,13280 10285,13280
+5V on Top Layer "+5V_L01_P011" (solid, remove dead copper, pour order 11): 10270,13755 10270,13595 10675,13595 10775,13695 10775,14125 10825,14175 10825,15775 10660,15940 10145,15940 9940,16145 9640,16145 9640,16100 9945,16100 10145,15900 10625,15900 10780,15745 10775,15740 10775,14235 10740,14200 10740,13745 10705,13710 10385,13710 10380,13715 10380,13745 10370,13755
+5V on Top Layer "+5V_L01_P008" (solid, remove dead copper, pour order 8): 7930,15095 7930,14995 8290,14995 8290,15095
+5V on Top Layer "+5V_L01_P006" (solid, pour order 6): 9715,16345 9715,16285 9693.15,16257.68 9585.69,16257.47 9585.69,16330.69 9530,16375 9395.5,16375 9395.5,16295 9262,16295 9262,16424.78 9094.7,16426.38 9094.68,16554.68 9140.18,16556.7 9137.34,16642.34 8940,16635 8705,16635 8489.38,16521.42 8491.19,16278.81 8574.86,16279.6 8575.67,16226.19 8406.68,16223.85 8406.68,15780.48 8270,15775 8270,16500 8615,16760 9290,16750 9626.88,16363.98 9691.11,16362.89
+V24V_IN on Top Layer "+V24V_IN_L01_P004" (solid, pour order 4): 10595,14722.16 10627.16,14690 10700,14690 10755,14745 10755,15695 10545,15905 10365,15905 10335,15875 10335,15045 10595,14785
VBATT__1 on Top Layer "VBATT_MOT" (solid, remove dead copper, pour order 2): 10475,13970 10485,13960 10485,13875 10475,13865 10035,13865 9680.47,14219.53 9680.47,14335 9930,14335 9950,14315 9950,14230 10210,13970
MOTOR+_1 on Top Layer "MOTOR_P" (solid, remove dead copper, pour order 1): 10110,14580 10085,14580 10035,14530 9960,14530 9960,14255 10205,14010 10480,14010 10495,14025 10495,14085 10475,14105 10285,14105 10235,14155 10235,14575 10230,14580
MOTOR-_1 on Top Layer "MOTOR_N" (solid, remove dead copper, pour order 0): 9985,14615 10015,14645 10265,14645 10340,14570 10340,14280 10680,14280 10730,14230 10730,14050 cw(c10690,14050) 10690,14010 10590,14010 10485,14115 10285,14115 10250,14150 10250,14580 10230,14580 10220,14590 10075,14590 10075,14585 10050,14560 9985,14560
GND on Bottom Layer "GND_L02_P042" (solid, remove dead copper, pour order 42): 670,9360 10930,9360 10930,16990 3300,16990 3300,15261.85 5028.15,15261.85 5028.15,12200 670,12200
TPS_5VREF_5 on Bottom Layer "TPS_5VREF_5_L02_P041" (solid, remove dead copper, pour order 41): 9115,13085 9110,13090 9110,14005 9120,14015 9145,14015 9155,14005 9155,13090 9148.44,13085.87
TPS_5VREF_5 on Bottom Layer "TPS_5VREF_5_L02_P036" (solid, remove dead copper, pour order 36): 8315,13215 8325,13210 8325,13200 8325,13170 8205.24,13170 8200,13175.24 8200,13205 8210,13215 8305,13215
+8VREF on Bottom Layer "+8VREF_L02_P033" (solid, remove dead copper, pour order 33): 8735,15645 8765,15645 8765,15615 8735,15585 8735,14665 8725,14655 8700,14655 8695,14660 8695,14680 8705,14690 8705,15615
VBATT__1 on Bottom Layer "VBATT__1_L02_P031" (solid, remove dead copper, pour order 31): 8655,15630 8655,14635 8785,14505 8785,12265 8745,12225 8745,12165 8780,12165 8820,12205 8820,14520 8685,14655 8685,15630 8680,15635 8660,15635
VBATT__1 on Bottom Layer "VBATT__1_L02_P030" (solid, remove dead copper, pour order 30): 9727.27,14207.5 9807.5,14207.5 9815,14225 9815,15745 9785,15775 9680,15775 9680,15660 9740,15600 9740,14275 9727.27,14262.27
+V24V on Bottom Layer "+V24V_L02_P029" (solid, remove dead copper, pour order 29): 5095,16770 5095,16350 5160,16350 5200,16390 5200,16770 5190,16780 5105,16780
+V24V on Bottom Layer "+V24V_L02_P026" (solid, remove dead copper, pour order 26): 5310,15130 5310,15075 5335,15075 5355,15055 5355,14785 5370,14770 5450,14770 5475,14795 5475,15120 5465,15130
+5VSW on Bottom Layer "+5VSW_L02_P025" (solid, remove dead copper, pour order 25): 5880,14835 5880,14825 5895,14810 5950,14810 6200,15060 7480,15060 7500,15080 7500,15120 7485,15135 6170,15135
+5VSW on Bottom Layer "+5VSW_L02_P024" (solid, remove dead copper, pour order 24): 7960,13920 7965,13925 7965,13940 8010,13940 8015,13935 8015,13600 8045,13570 8045,13285 8025,13265 7820,13265 7695,13140 7695,12955 7610,12870 7575,12870 7560,12885 7560,12920 7645,13005 7645,13165 7815,13335 7950,13335 7960,13355 7960,13365
+5VSW on Bottom Layer "+5VSW_L02_P023" (solid, remove dead copper, pour order 23): 8070,15260 8080,15270 8105,15270 8125,15250 8125,14390 8050,14315 8050,14070 8030,14050 7990,14050 7975,14065 7975,14430 8075,14530 8075,15225 8070,15230
+5VSW on Bottom Layer "+5VSW_L02_P020" (solid, remove dead copper, pour order 20): 8480,16005 8475,16005 8460,15970 8460,15235 8475,15220 8545,15220 8570,15245 8570,15970 8555,16005
+3V3 on Bottom Layer "+3V3_L02_P018" (solid, remove dead copper, pour order 18): 10387.5,13280 10387.5,13212.5 10470,13130 10815,13130 10825,13140 10825,13190 10795,13220 10550,13220 10550,13245 10515,13280
+3V3 on Bottom Layer "+3V3_L02_P017" (solid, remove dead copper, pour order 17): 6440,12745 6440,12580 6520,12580 6520,12745
+3V3 on Bottom Layer "+3V3_L02_P015" (solid, remove dead copper, pour order 15): 5755,13590 6170.22,13590 6185,13604.78 6185,13655 5765,13655 5755,13645
+3V3 on Bottom Layer "+3V3_L02_P010" (solid, remove dead copper, pour order 10): 6315,13600 6315,13535 6525,13535 6545,13520 6560,13520 6960,13520 6960,13575 6580,13575 6540,13615 6325,13615
+5V on Bottom Layer "+5V_L02_P009" (solid, remove dead copper, pour order 9): 9640,16355 9625,16345 9625,16110 9700,16110 9700,16340 9690,16355
+5V on Bottom Layer "+5V_L02_P007" (solid, remove dead copper, pour order 7): 8030,14995 8040,15005 8040,15095 7615,15095 7545,15025 6385,15025 6385,14915 6385.2,14914.8 7950.2,14914.8 7955,14910 7955,14695 8035,14695
+5V on Bottom Layer "+5V_L02_P003" (solid, pour order 3): 8235,15810 8235,15080 8220,15065 8220,15010 8320,15010 8325,15015 8325,15810

## Keep-outs
Keep-Out Layer:
  the board outline again, w5

## Silkscreen, mask and mechanical layers (free items; w line width, h text height)
Top Overlay:
  drawing of 119 lines, arcs and shapes, not listed
  text "From MC2" at 7620.96,16165.01 h50
  text "To Test Connector" at 3431.73,16098.02 h50
  text "LE_A" at 5185.85,15400.42 h35
  text "LE_P" at 5350.85,15400.42 h35
  text "LE_B" at 5185.85,15315.42 h35
  text "LE_P" at 5355.85,15315.42 h35
  text "LE_C" at 5185.85,15235.42 h35
  text "LE_P" at 5355.85,15235.42 h35
  text "To MC3" at 5583.4,14015.01 h50
  text "GND" at 10117.49,12833.35 h35 r90
  text "+VIN" at 10192.49,12823.77 h35 r90
  text "LE_P" at 10189.58,12665.85 h35 r90
  text "LE_C" at 10119.58,12660.85 h35 r90
  text "BCH" at 10117.49,12528.35 h35 r90
  text "TCH" at 10187.49,12528.35 h35 r90
  text "BCL" at 10117.49,12398.35 h35 r90
  text "TCL" at 10192.49,12393.35 h35 r90
  text "CCH" at 10088.35,12322.51 h35
  text "CCL" at 10093.35,12247.51 h35
  text "MOT-" at 10192.49,12080.85 h35 r90
  text "MOT+" at 10117.49,12075.85 h35 r90
  text "IGN" at 10192.49,11911.26 h35 r90
  text "VBAT" at 10117.49,11905.85 h35 r90
  text "AREF" at 10117.49,11740.85 h35 r90
  text "SREF" at 10192.49,11740.85 h35 r90
  text "VS_5" at 10119.58,11575.85 h35 r90
  text "VS_5" at 10194.58,11575.85 h35 r90
  text "STARTER AMP" at 9458.42,11440.01 h50
  text "IGN" at 2662.52,11415.01 h50
  text "GND" at 1803.35,11405.01 h50
  text "MC3 CANH" at 8658.4,11405.01 h50
  text "ST_A" at 10194.58,11390.85 h35 r90
  text "MC3 CANL" at 7708.42,11385.84 h50
  text "VBAT" at 893.36,11380.01 h50
  text "ALT_A" at 10119.58,11378.36 h35 r90
  text "ALTERNATOR / AMP" at 10293.42,11348.02 h50
  text "GND" at 10122.49,11243.35 h35 r90
  text "GND" at 10202.49,11243.35 h35 r90
  text "X2 Info" at 10009.99,11078.37 h40 r90
  text "V3V3" at 10122.49,11060.85 h35 r90
  text "TPSEC" at 10202.49,11043.36 h35 r90
  text "MC3 r2 / SN 900-9092020" at 3720,10979.03 h60
  text "GND" at 10122.49,10913.35 h35 r90
  text "GND" at 10202.49,10913.35 h35 r90
  text "TPS_W" at 10199.58,10708.36 h35 r90
  text "TPS_R" at 10119.58,10703.36 h35 r90
  text "TPS_5" at 10119.58,10498.36 h35 r90
  text "COOL_R" at 10194.58,10470.87 h35 r90
  text "OIL RET_M" at 6012.57,10415.84 h50
  text "TPS WIPER_M" at 9422.58,10410.84 h50
  text "COOL IN_M" at 6858.41,10405.84 h50
  text "COOL RET_M" at 7738.41,10405.84 h50
  text "TPS 5V_M" at 8607.58,10400.84 h50
  text "SPEED SIG_M" at 3333.42,10395.84 h50
  text "SPEED RET_M" at 4253.42,10395.84 h50
  text "OIL IN_M" at 5176.73,10395.84 h50
  text "SPEED2 SIG_M" at 1577.59,10385.84 h50
  text "TPS RET_M" at 10323.41,10383.02 h50
  text "SPEED2 PW_M" at 758.42,10375.84 h50
  text "SPEED2 RET_M" at 2437.59,10343.85 h50
  text "OIL_R" at 10119.58,10276.28 h35 r90
  text "COOL_T" at 10194.58,10240.87 h35 r90
  text "OIL_P" at 10119.58,10051.28 h35 r90
  text "SP1_R" at 10194.58,10046.28 h35 r90
  text "COOL IN_H" at 6887.57,10010.84 h50
  text "TPS 5V_H" at 8698.4,9990.84 h50
  text "TPS RET_H" at 10343.4,9980.84 h50
  text "OIL RET_H" at 6022.57,9965.84 h50
  text "TPS WIPER_H" at 9365,9963.85 h50
  text "SPEED2 PW_H" at 753.43,9955.84 h50
  text "SPEED2 RET_H" at 2468.43,9950.84 h50
  text "SPEED SIG_H" at 3332.59,9950.84 h50
  text "OIL IN_H" at 5147.57,9950.84 h50
  text "SPEED RET_H" at 4175.86,9948.85 h50
  text "COOL RET_H" at 7631.7,9943.85 h50
  text "SPEED2 SIG_H" at 1563.79,9913.85 h50
  text "SP1_I" at 10194.58,9867.11 h35 r90
  text "SP2_R" at 10119.58,9853.36 h35 r90
  text "SP2_I" at 10119.58,9669.19 h35 r90
  text "SP2_B" at 10189.58,9663.36 h35 r90
PanelMC3:
  drawing of 5252 lines, arcs and shapes, not listed

## Dimensions
10930,9360 to 10930,16990 on PanelMC3
670,9360 to 10930,9360 on PanelMC3

## Text inside footprints (layer, text, board x,y; h text height)
J1: Mechanical 15 "height clearence / 105mil" at 5660.49,12298.26 h15 r90; Mechanical 15 "height clearence / 105mil" at 5321.9,12286.45 h15 r90